# Altium PCB HAND_MULTILAYER.PcbDoc (part 2 of 3)
Units mm, origin at the board's own origin, x right, y up, seen from the top; angles counter-clockwise.
Board outline 57.4 x 57.5 mm, 4 copper layers (Top Layer, POWER, GND, Bottom Layer), stack 0.778 mm thick; 166 components, 145 nets, 650 pads, 156 vias.
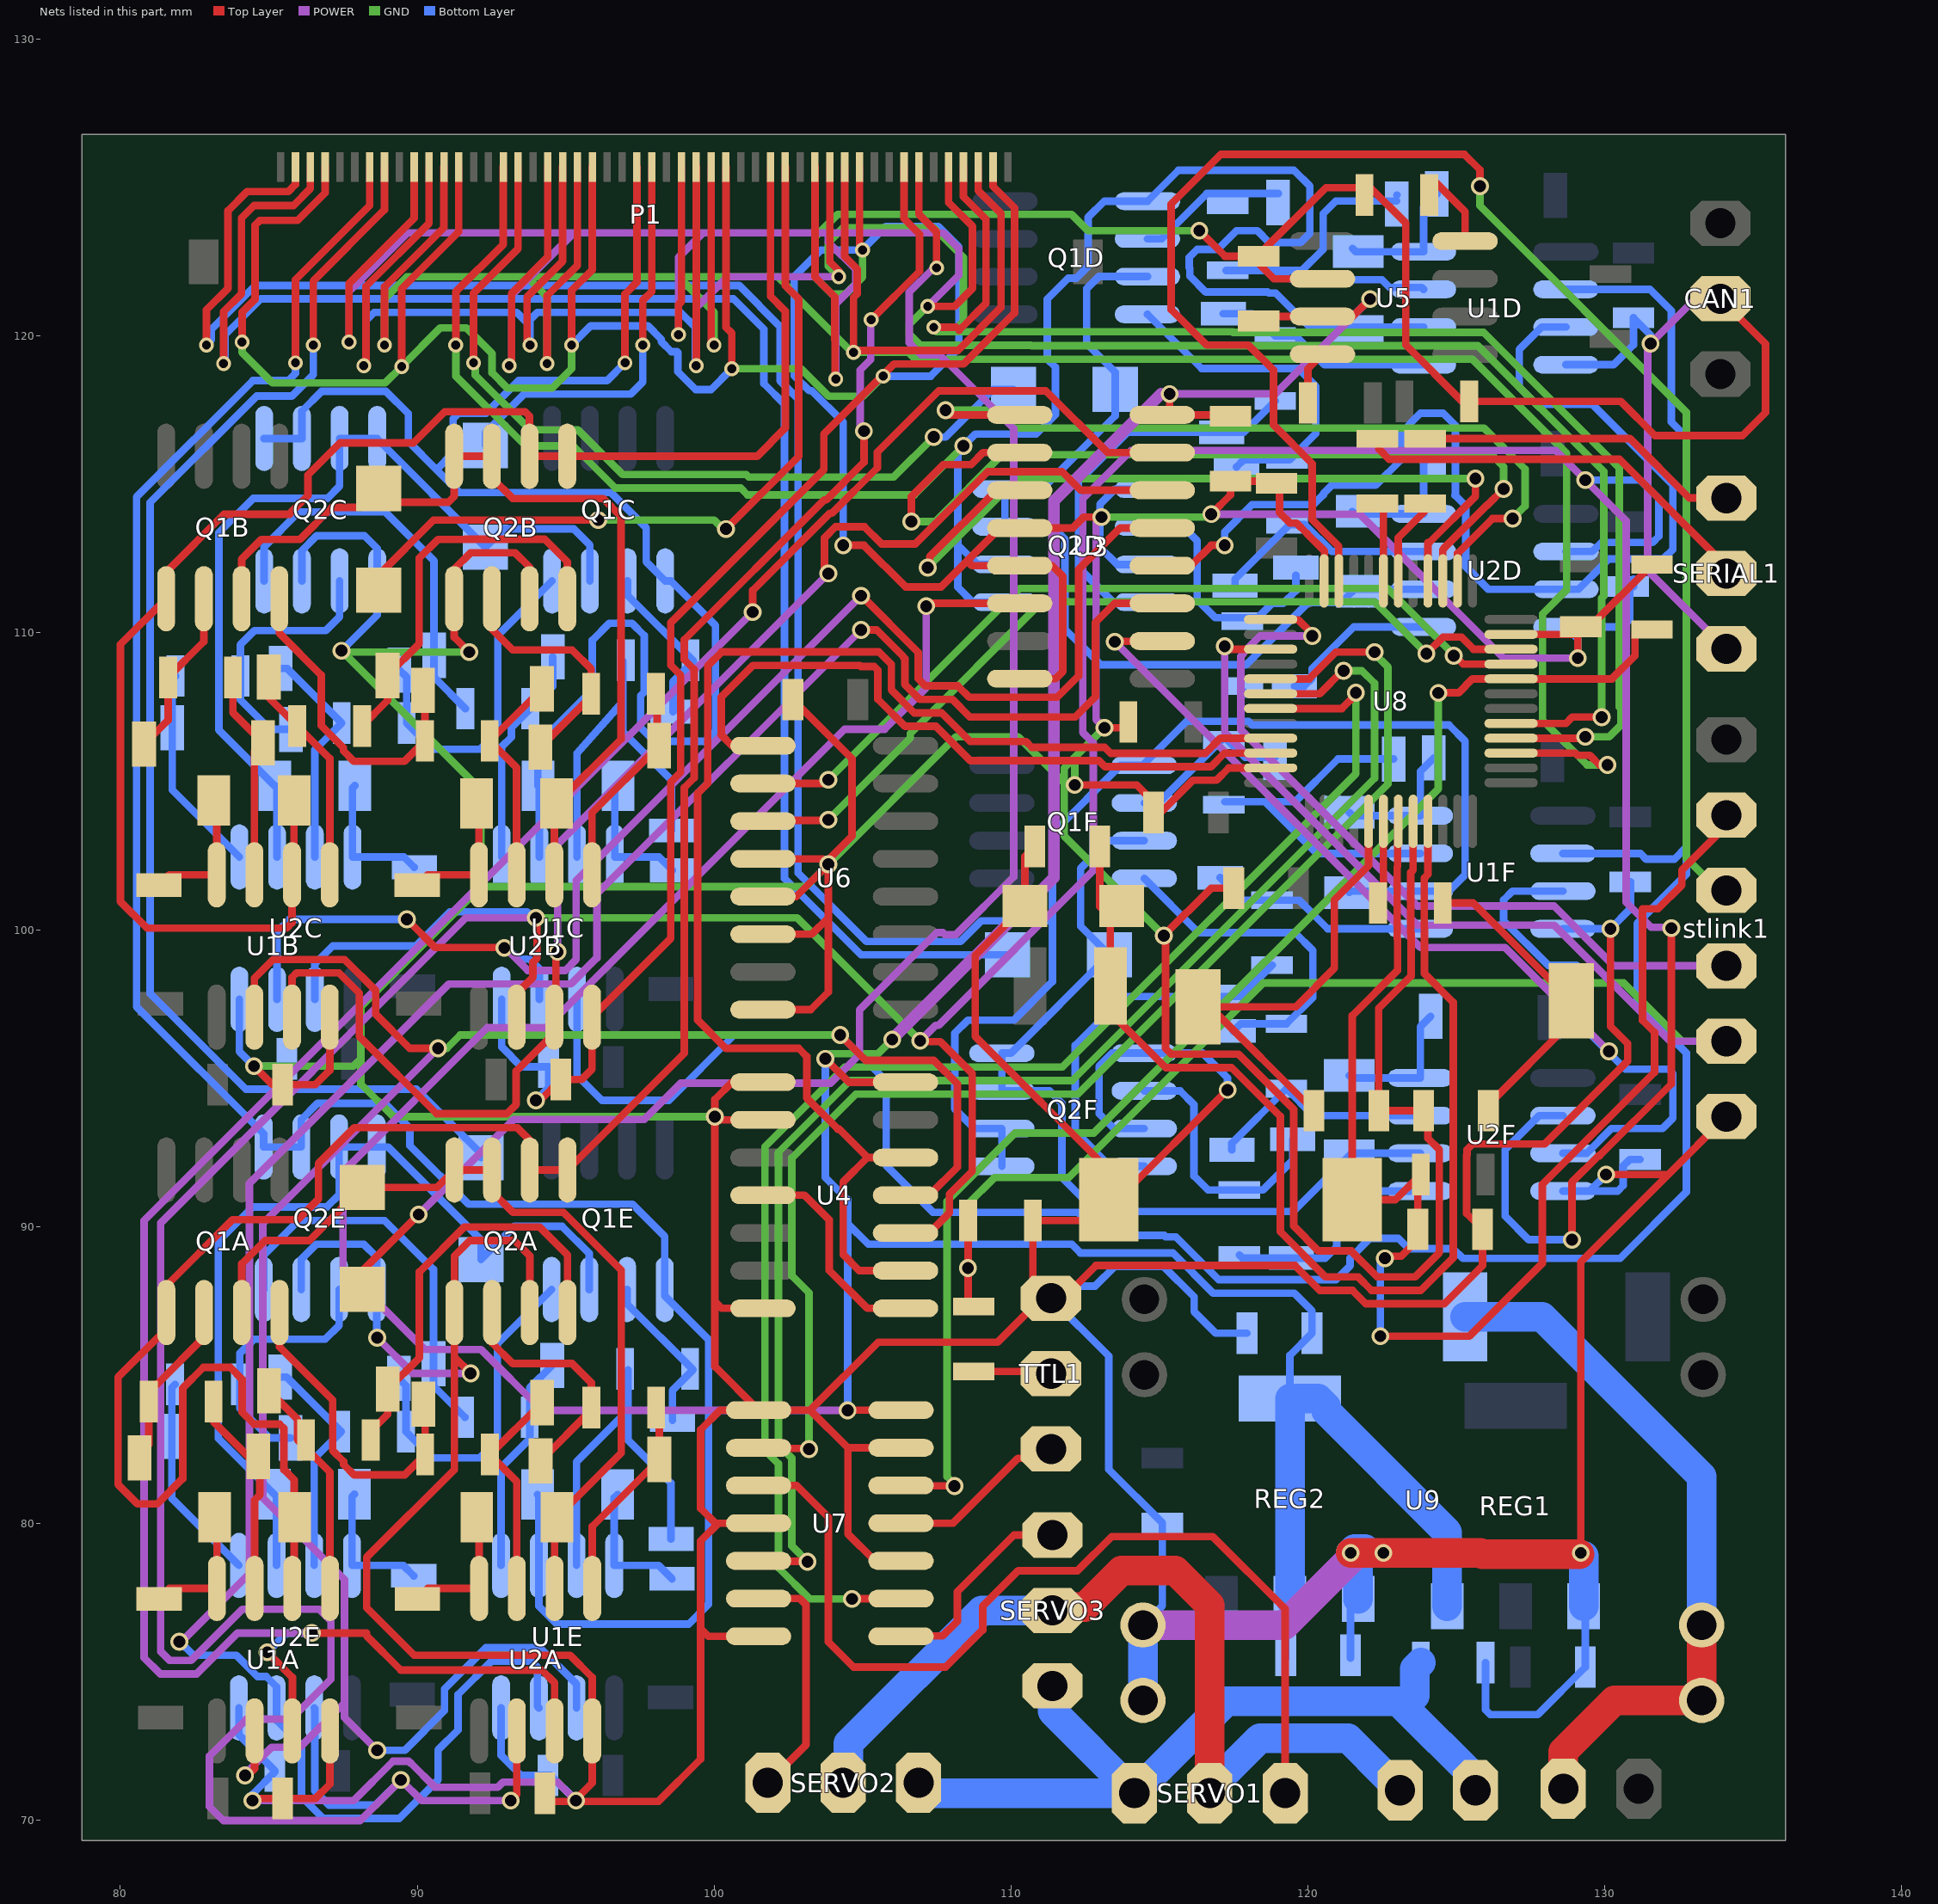
[diagram p4: the nets of this part, all layers, seen from the top]

## Via types
v1: diameter 0.6, hole 0.4, Top Layer to Bottom Layer, tented both sides, 113 vias
v2: diameter 0.5, hole 0.3, Top Layer to Bottom Layer, tented both sides, 43 vias

## Nets (pads, with @x,y where several pads share a name; then routed paths per layer and width w, separated by ;. In a path a pad name is that pad's centre, name@x,y a point inside that pad or via, vN(x,y) a via of type N, cw(c..) or ccw(c..) an arc to the next point about the centre after c; other vN are vias at no path point) (continued)
GND: B1.1 C3A.1 C3B.1 C3C.1 C3D.1 C3E.1 C3F.1 C4A.1 C4B.1 C4C.1 C4D.1 C4E.1 C4F.1 C5.1 C6.1 C7.1 C8.2 C9.1 C10.1 C11.1 C12.1 C13.1 C14.1 C15.1 C16.- C17.1 C18.1 C19.1 C21.1 CAN1.2 P1.2 P1.11 P1.20 P1.29 P1.38 P1.47 Q2A.1 Q2A.3 Q2B.1 Q2B.3 Q2C.1 Q2C.3 Q2D.1 Q2D.3 Q2E.1 Q2E.3 Q2F.1 Q2F.3 R6.1 R8.1 R9.2 R13.1 R14.1 R16.1 REG1.1 REG2.1 SERIAL1.1 stlink1.1 TTL1.3 U1A.4 U1B.4 U1C.4 U1D.4 U1E.4 U1F.4 U2A.4 U2B.4 U2C.4 U2D.4 U2E.4 U2F.4 U3.4 U3.5 U3.8 U4.1 U4.2 U4.7 U5.2 U6.4 U6.5 U6.6 U6.8 U7.1 U7.4 U7.7 U7.10 U7.13 U8.8 U8.23 U8.35 U8.47 U9.4 | length 700.3
  Top Layer w0.254: v2(84.1,119.8) 84.1,120.803 84.535,121.238 84.535,123.735 84.7,123.9 85.972,123.9 86.9,124.828 P1.47@86.9,125.7 ; v1(84.45,70.65) 84.525,70.725 C3A.1@85.467,70.725 86.575,70.725 87.062,71.212 U1A.4@87.062,73 ; v1(84.5,95.4) 85.125,94.775 C3B.1@85.46,94.775 86.568,94.775 87.055,95.262 U1B.4@87.055,97.05 ; v2(89.477,118.977) 89.477,119.939 89.477,121.593 91.4,123.516 P1.38@91.4,125.7 ; v1(91.75,109.35) 91.245,109.855 Q2B.1@91.245,111.15 91.245,112.145 91.8,112.7 93.3,112.7 93.785,112.215 Q2B.3@93.785,111.15 ; v1(91.8,85.05) 91.252,85.598 ; Q2A.3@93.792,87.1 93.792,89.008 93.275,89.525 91.775,89.525 91.252,89.002 Q2A.1@91.252,87.1 91.252,85.598 ; v1(94,94.25) 94.142,94.25 C4B.1@94.842,94.95 95.543,94.95 95.89,95.297 U2B.4@95.89,97.05 98.542,99.702 98.542,104.968 98.877,105.303 98.877,108.578 98.542,108.913 98.542,110.342 103.7,115.5 103.7,116.7 106.062,119.062 108.404,119.062 110.123,120.781 110.123,124.319 109.4,125.042 P1.2@109.4,125.7 ; C4A.1@94.267,70.625 v1@95.275,70.625 ; v2(95.2,119.7) 95.2,121.537 95.9,122.237 P1.29@95.9,125.7 ; P1.20@100.4,125.7 100.4,120.3 100.6,120.1 v2(100.6,118.9) ; U7.7@101.5,76.19 99.81,76.19 99.55,76.45 ; U7.4@101.5,80 100.15,80 ; U4.7@101.65,87.24 100.26,87.24 100.027,87.473 ; U4.2@101.65,93.59 100.137,93.59 v1(100.027,93.7) ; U4.1@101.65,94.86 100.61,94.86 100.027,94.277 v1(100.027,93.7) ; U6.8@101.65,97.305 103.255,97.305 103.85,97.9 103.85,100.4 ; U6.6@101.65,99.845 103.295,99.845 103.85,100.4 ; U6.5@101.65,101.115 102.765,101.115 v1(103.85,102.2) ; U6.4@101.65,102.385 103.665,102.385 v1(103.85,102.2) ; C6.1@102.658,107.75 104.65,105.758 104.65,103.15 103.85,102.35 v1(103.85,102.2) ; v1(104.35,112.95) 105.05,112.95 106.45,111.55 107.65,111.55 108.6,112.5 ; P1.11@104.9,125.7 104.9,123 v2(105,122.9) ; U7.10@106.3,78.73 105.42,78.73 104.51,79.64 104.51,82.54 ; U7.13@106.3,82.54 104.51,82.54 ; U3.8@110.3,108.455 111.505,108.455 111.75,108.7 111.75,111.9 111.385,112.265 U3.5@110.3,112.265 108.685,112.265 108.6,112.35 108.6,112.5 ; C17.1@110.808,102.8 110.47,102.462 C16.-@110.47,100.8 108.8,99.13 108.8,96.4 113.3,91.9 B1.1@113.3,90.9 ; v1(112.15,104.877) 114.239,104.877 114.585,104.531 114.585,104.523 114.808,104.3 C11.1@114.816,104.3 ; v1(113.05,113.9) 112.45,113.9 112.085,113.535 U3.4@110.3,113.535 109.635,113.535 108.6,112.5 ; v1(113.15,106.8) 113.758,106.8 R14.1@113.958,107 ; C11.1@114.808,103.95 115.05,103.95 116.134,105.034 116.923,105.034 117.339,105.45 U8.47@118.75,105.45 ; v1(116.35,123.55) 117.208,122.692 C7.1@118.35,122.692 118.35,122.737 120.613,125 122.108,125 123.3,123.808 123.3,119.703 125.203,117.8 R8.1@125.442,117.8 130.55,117.8 131.7,116.65 134.65,116.65 135.423,117.423 135.423,119.737 CAN1.2@133.9,121.26 ; v1(116.75,114) 117.4,114.65 C5.1@117.4,115.116 118.877,115.116 C12.1@118.95,115.042 ; v1(117.3,94.6) 113.6,90.9 B1.1@113.3,90.9 ; C13.1@117.508,101.4 116.75,101.4 v1(115.15,99.8) 115.211,99.739 115.211,95.995 115.403,95.803 117.663,95.803 119.531,93.935 119.531,90.007 120.365,89.173 121.467,89.173 122.34,88.3 123.62,88.3 124.435,89.115 124.435,92.585 124.051,92.97 124.051,93.749 C9.1@123.9,93.9 ; C7.1@118.225,122.567 118.862,121.93 U5.2@120.5,121.93 ; C12.1@119.05,115.042 119.05,114.05 119.4,113.7 119.62,113.7 119.977,113.343 119.977,113.339 120.561,112.754 120.561,112.544 120.559,112.541 120.559,111.759 U8.35@120.55,111.75 ; U8.8@123.55,103.65 123.55,102.005 123.469,101.923 123.469,99.877 123.481,99.864 123.481,98.439 123.469,98.427 122.392,97.35 C8.2@122.392,93.9 123.7,93.9 C9.1@123.8,94 ; U8.23@126.85,109.95 128.942,109.95 C10.1@129.1,110.108 ; v1(129.1,109.15) C10.1@129.1,110.108 ; v1@129.15,78.95 v1(129.2,79) 129.2,88.8 132.15,91.75 ; v1(130.05,91.75) 132.15,91.75 ; v1(130.198,100.028) 130.198,96.739 130.777,96.16 130.777,95.569 127.985,92.777 125.557,92.777 125.365,92.585 125.365,92.411 125.354,92.4 125.354,90.438 C15.1@125.892,89.9 125.892,88.684 124.6,87.392 121.964,87.392 121.51,87.846 120.407,87.846 119.569,88.684 112.866,88.684 111.761,87.58 TTL1.3@111.35,87.58 ; R13.1@131.6,112.3 129.508,110.208 C10.1@129.2,110.208 C10.1@129.1,110.108 ; stlink1.1@134.1,93.7 132.15,91.75 ; SERIAL1.1@134.1,109.46 SERIAL1.1@134.1,109.8 ; 91.252,85.598 91.252,81.802 88.3,78.85 88.3,77.15 89.9,75.55 95.15,75.55 95.897,74.803 U2A.4@95.897,73 95.897,71.247 v1@95.275,70.625 ; v1@95.275,70.625 98.125,70.625 99.55,72.05 99.55,76.45 ; 99.55,76.45 99.55,79.4 100.15,80 ; 100.027,87.473 v1(100.027,93.7) ; 100.027,87.473 100.027,85.283 U7.1@101.5,83.81 ; 100.15,80 100.05,80 99.55,80.5 99.55,83.15 100.21,83.81 U7.1@101.5,83.81 ; U7.1@101.5,83.81 103.24,83.81 ; 103.24,83.81 104.51,82.54 ; 103.24,83.81 105.53,86.1 109.55,86.1 111.03,87.58 TTL1.3@111.35,87.58 ; 103.85,100.4 v1(103.85,102.2) ; TTL1.3@111.35,87.58 110.742,88.188 R16.1@110.742,90.2 112.6,90.2 B1.1@113.3,90.9
  Top Layer w1: v1(121.45,79) v1(122.55,79) 125.825,79 125.875,78.95 v1@129.15,78.95
  POWER w0.254: v1(84.45,70.65) 87.863,70.65 89.19,71.977 89.71,71.977 89.768,71.918 89.782,71.918 90.596,71.104 92.717,71.104 92.89,71.277 94.723,71.277 v1(95.35,70.65) ; v1(88.65,86.25) 89.85,85.05 v1(91.8,85.05) ; v1(113.05,113.9) 112.873,113.723 112.873,107.077 v1(113.15,106.8) ; v1(116.75,114) 121.75,114 126.6,109.15 v1(129.1,109.15) ; CAN1.2@133.9,121.26 133.06,121.26 v1(131.55,119.75) 131.45,119.65 131.45,112.11 SERIAL1.1@134.1,109.46
  POWER w1: U9.4@114.449,76.567 119.217,76.567 121.45,78.8 v1(121.45,79)
  GND w0.254: v2(84.1,119.8) 84.1,119.45 85.127,118.423 88.923,118.423 v2(89.477,118.977) 90.777,120.277 91.657,120.277 92.523,119.411 92.523,118.761 93.034,118.25 94.55,118.25 95.2,118.9 v2(95.2,119.7) ; v1(84.5,95.4) 87.85,95.4 88.1,95.65 ; v1(87.45,109.4) v1@87.5,109.35 ; v1(91.75,109.35) v1@87.5,109.35 ; v1(100.027,93.7) 89.2,93.7 88.1,94.8 88.1,95.65 ; v2(100.6,118.9) 102.934,118.9 103.742,118.092 103.861,117.973 105.023,117.973 v2(105.7,118.65) ; v2(105,122.9) 105,121.984 104.439,121.423 103.961,121.423 103.396,121.988 103.396,123.338 104.162,124.104 112.046,124.104 112.6,123.55 v1(116.35,123.55) ; v1(112.15,104.877) 112.15,105.8 ; v1(113.05,113.9) 116.65,113.9 v1(116.75,114) ; v1(113.15,106.8) 112.15,105.8 ; v1(115.15,99.8) 111.8,103.15 111.8,104.95 ; v1@87.5,109.35 92.15,104.7 92.15,101.45 ; 88.1,95.65 88.1,97.4 92.15,101.45 ; 92.15,101.45 103.1,101.45 v1(103.85,102.2) 108.15,106.5 110.25,106.5 111.8,104.95 ; 111.8,104.95 111.8,105.45 112.15,105.8
  Bottom Layer w0.254: U2E.4@83.993,73.775 83.993,72.865 C4E.1@85.208,71.65 85.208,71.621 84.45,70.863 v1(84.45,70.65) ; U2C.4@84.01,97.65 84.01,95.89 v1(84.5,95.4) 85.6,95.4 C4C.1@85.625,95.375 ; Q2E.3@86.098,87.875 86.098,88.898 86.6,89.4 88.2,89.4 88.638,88.962 Q2E.1@88.638,87.875 88.638,86.262 v1(88.65,86.25) ; Q2C.3@86.115,111.75 86.115,112.773 86.617,113.275 88.217,113.275 88.655,112.837 Q2C.1@88.655,111.75 88.655,110.605 v1(87.45,109.4) ; U1E.4@92.828,73.775 92.828,72.172 93.5,71.5 C3E.1@94.408,71.5 94.5,71.5 v1(95.35,70.65) ; U1C.4@92.845,97.65 92.845,96.047 93.517,95.375 C3C.1@94.425,95.375 94.425,94.675 v1(94,94.25) ; v2(95.2,119.7) 95.846,120.346 97.77,120.346 98.223,119.893 98.223,119.811 98.561,119.473 98.75,119.473 98.777,119.446 98.777,118.807 99.384,118.2 99.9,118.2 v2(100.6,118.9) ; v1(104.35,112.95) 104.35,117.1 103.285,118.165 103.208,118.165 103.019,118.354 103.007,118.354 102.7,118.661 102.7,122 103.6,122.9 v2(105,122.9) 105,122.916 105.784,123.7 107.55,123.7 108.25,123 108.25,119.6 107.3,118.65 v2(105.7,118.65) ; U9.4@114.449,76.567 115.1,77.218 C19.1@115.1,80.008 113.3,81.808 113.3,85.63 TTL1.3@111.35,87.58 111.761,87.991 112.841,87.991 113.5,88.65 115.15,88.65 116.175,87.625 116.175,87.125 116.9,86.4 C14.1@117.958,86.4 ; Q2F.3@114.495,93.298 113.472,93.298 112.97,93.8 112.97,95.4 113.408,95.838 Q2F.1@114.495,95.838 116.462,95.838 117.3,95 v1(117.3,94.6) ; Q2D.3@114.6,112.305 113.577,112.305 113,112.882 113,114.332 113.513,114.845 Q2D.1@114.6,114.845 ; C21.1@121.442,75.45 C21.1@121.442,75.55 121.442,77.19 REG2.1@121.7,77.448 ; R9.2@125.992,75.3 125.992,73.708 126.15,73.55 127.75,73.55 C18.1@129.35,75.15 129.35,77.15 REG1.1@129.3,77.2 ; U2F.4@128.595,91.193 U2F.4@129.493,91.193 ; U1F.4@128.595,100.028 v1(130.198,100.028) 130.87,100.7 C3F.1@130.87,101.608 ; U1D.4@128.7,119.035 130.303,119.035 130.975,119.707 C3D.1@130.975,120.615 131.55,120.04 v1(131.55,119.75) ; v1(129.1,109.15) 129.1,109.8 U2D.4@128.7,110.2 130.6,110.2 130.85,110.45 130.85,111.508 C4D.1@130.8,111.558 ; v1(129.2,79) v1@129.3,78.9 ; v1(130.05,91.75) U2F.4@129.493,91.193 ; C4D.1@130.975,111.558 C4D.1@130.975,111.815 ; C4F.1@131.2,92.258 130.85,92.258 130.627,92.035 130.627,91.377 130.443,91.193 U2F.4@129.493,91.193
  Bottom Layer w1: U9.4@114.449,74.027 U9.4@114.449,76.567 ; v1(121.45,79) 121.575,79.125 121.925,79.125 ; REG2.1@121.7,77.448 v1@121.7,78.9 ; REG1.1@129.3,77.2 v1@129.3,78.9
IN1: U2A.2 U2B.2 U2C.2 U2D.2 U2E.2 U2F.2 U4.10 | length 185.6
  Top Layer w0.254: v1(93.15,70.65) 93.357,70.857 U2A.2@93.357,73 ; U2B.2@93.35,97.05 93.35,97.85 93.9,98.4 93.9,98.9 94.036,99.036 94.036,100.36 v1(94,100.396) ; U4.10@106.45,89.78 107.25,89.78 107.931,90.461 107.931,91.089 108.7,91.858 108.7,95.15 107.626,96.224 106.976,96.224 v1(106.945,96.255) ; v1(128.9,89.55) 128.9,91.487 129.79,92.377 129.827,92.377 132.25,94.8 v1(132.25,100.05)
  POWER w0.254: v1(93.15,70.65) 90.15,70.65 v1(89.45,71.35) 88.077,69.977 83.473,69.977 83,70.45 83,72.15 84.25,73.4 85.75,73.4 87.096,74.746 87.096,76.704 86.7,77.1 84.108,77.1 82.385,75.377 81.657,75.377 81.358,75.676 81.358,90.116 91.638,100.396 v1(94,100.396) ; v1(106.945,96.255) 107.469,96.779 107.563,96.779 112.777,101.993 112.777,106.286 112.419,106.644 112.419,114.517 114.052,116.15 128.35,116.15 v1(129.35,115.15) 130.727,113.773 130.727,100.923 131.569,100.081 132.219,100.081 v1(132.25,100.05)
  GND w0.254: v1(94,100.396) 102.804,100.396 v1(106.945,96.255)
  Bottom Layer w0.254: U2E.2@86.533,73.775 86.554,73.754 86.554,70.976 87.026,70.504 88.604,70.504 v1(89.45,71.35) ; U2C.2@86.55,97.65 86.55,98.85 87.15,99.45 89.95,99.45 91.1,100.6 93.702,100.6 93.906,100.396 v1(94,100.396) ; U2F.2@128.595,93.733 127.795,93.733 126.65,92.588 126.65,90.35 127.45,89.55 v1(128.9,89.55) ; U2D.2@128.7,112.74 129.594,112.74 129.904,113.05 131.62,113.05 131.827,113.257 131.827,114.523 131.2,115.15 v1(129.35,115.15)
IN2: U1A.2 U1B.2 U1C.2 U1D.2 U1E.2 U1F.2 U4.11 | length 164
  Top Layer w0.254: v1@84.2,71.4 84.522,71.722 U1A.2@84.522,73 ; U1B.2@84.515,97.05 84.515,98.365 85.146,98.996 87.55,98.996 88.6,97.946 88.6,97.15 89.75,96 v1(90.7,96) ; v1(104.25,96.45) 104.9,95.8 105.102,95.598 107.398,95.598 108.2,94.797 108.2,92 107.25,91.05 U4.11@106.45,91.05
  POWER w0.254: v1@84.35,71.7 85.1,72.45 86.05,72.45 87.55,73.95 ; v1(88.65,72.35) 87.55,73.45 87.55,73.95 ; v1(90.7,96) 84.8,90.1 84.8,80.85 87.55,78.1 87.55,73.95
  GND w0.254: v1(90.7,96) 91,96 91.45,96.45 v1(104.25,96.45)
  Bottom Layer w0.254: v1(88.65,72.35) 89.582,72.35 90.922,73.69 90.922,74.414 92.308,75.8 94.143,75.8 95.368,74.575 U1E.2@95.368,73.775 ; U1C.2@95.385,97.65 95.385,95.087 96.222,94.25 98.478,94.25 100.678,96.45 v1(104.25,96.45) 105.8,94.9 105.8,92.05 107.375,90.475 112.253,90.475 113.028,89.7 115.164,89.7 115.214,89.65 115.556,89.65 117,88.206 120.956,88.206 121.429,88.679 121.429,88.929 122.1,89.6 123.05,89.6 123.4,89.25 124.9,89.25 125.227,88.923 130.523,88.923 132.754,91.154 132.754,95.846 132.2,96.4 132.15,96.4 131.1,97.45 131.1,100.212 132.754,101.866 132.754,102.778 ; U1F.2@128.595,102.568 131.207,102.568 131.402,102.373 132.349,102.373 132.754,102.778 ; U1D.2@128.7,121.575 131.527,121.575 132.25,120.852 132.25,117.103 132.754,116.599 132.754,102.778
  other v1: 84.2,71.5
M11: F1A.1 P1.7 | length 55.6
  Top Layer w0.254: F1A.1@88.157,87.885 88.157,88.507 v1(90.05,90.4) ; P1.7@106.9,125.7 106.9,124.1 107.492,123.508 107.492,122.392 107.584,122.3 v2(107.5,122.3)
  POWER w0.254: v1(90.05,90.4) 93.25,93.6 97.65,93.6 98.875,94.825 103.925,94.825 104.9,95.8 104.9,97.3 107.5,99.9 107.713,99.9 107.79,99.823 108.136,99.823 110.096,101.783 110.096,107.154 110.097,107.155 110.097,116.882 107.606,119.373 106.977,119.373 106.577,119.773 106.577,121.477 107.4,122.3 v2(107.5,122.3)
M12: C1A.1 P1.8 Q1A.1 Q2A.5 Q2A.6 U1A.6 | length 80.9
  Top Layer w0.254: U1A.6@85.792,77.8 85.857,77.865 85.857,81.458 85.511,81.804 85.511,83.189 85.361,83.339 84.506,83.339 84.1,83.745 84.1,84.85 83.7,85.25 82.8,85.25 82.1,84.55 82.1,81.5 81.25,80.65 80.576,80.65 79.923,81.303 79.923,84.923 81.552,86.552 Q1A.1@81.552,87.1 81.552,88.002 83.775,90.225 85.975,90.225 86.675,90.925 86.675,92.125 87.877,93.327 93.373,93.327 93.792,92.908 Q2A.6@93.792,91.9 Q2A.5@95.062,91.9 98.996,95.834 98.996,104.779 99.331,105.114 99.331,108.766 98.996,109.101 98.996,109.767 103.714,114.485 103.785,114.485 105.05,115.75 v1(105.05,116.8) ; v2(105.292,120.55) 106.923,122.181 106.923,123.435 106.4,123.958 P1.8@106.4,125.7
  POWER w0.254: v1(105.05,116.8) 104.923,116.927 104.923,118.857 105.277,119.211 105.277,120.535 v2(105.292,120.55)
M21: F1B.1 P1.16 | length 26.5
  Top Layer w0.254: F1B.1@88.7,111.436 88.7,111.95 90.55,113.8 v1(96.1,113.8) ; v1(100.4,113.5) 102.854,115.954 102.854,121.246 102.4,121.699 P1.16@102.4,125.7
  GND w0.254: v1(96.1,113.8) 100.006,113.8 100.306,113.5 v1(100.4,113.5)
M22: C1B.1 P1.17 Q1B.1 Q2B.5 Q2B.6 U1B.6 | length 56.4
  Top Layer w0.254: C1B.1@85.85,104.35 85.85,101.915 U1B.6@85.785,101.85 85.785,100.235 85.6,100.05 80.9,100.05 80,100.95 80,109.605 Q1B.1@81.545,111.15 81.545,112.052 83.493,114 85.693,114 86.318,114.625 86.318,115.318 87.4,116.4 89.876,116.4 90.926,117.45 93.636,117.45 93.785,117.301 Q2B.6@93.785,115.95 Q2B.5@95.055,115.95 101.45,115.95 102.4,116.9 102.4,120.842 101.9,121.342 P1.17@101.9,125.7
M31: F1C.1 P1.25 | length 13.8
  Top Layer w0.254: v2(97.6,119.7) 97.6,121.2 97.9,121.5 P1.25@97.9,125.7
  Bottom Layer w0.254: F1C.1@92.3,116.314 92.3,116.742 93.604,118.046 97.196,118.046 97.6,118.45 v2(97.6,119.7)
M32: C1C.1 P1.26 Q1C.1 Q2C.5 Q2C.6 U1C.6 | length 56
  Top Layer w0.254: v2(97,119.1) 97,121.411 97.4,121.811 P1.26@97.4,125.7
  Bottom Layer w0.254: Q2C.5@84.845,116.55 Q2C.6@86.115,116.55 86.115,117.473 86.78,118.138 88.95,118.138 89.7,117.388 89.7,116.45 90.65,115.5 ; U1C.6@94.115,102.45 94.115,104.797 C1C.1@94.067,104.845 94.067,106.24 95.9,108.073 95.9,109.75 96.473,110.323 97.239,110.323 97.652,109.91 97.652,108.004 97.528,107.88 97.528,106.81 97.988,106.35 99.7,106.35 100.046,106.696 100.046,110.254 98.55,111.75 Q1C.1@98.355,111.75 97.712,112.393 97.712,113.538 96.525,114.725 91.425,114.725 90.65,115.5 ; v2(97,119.1) 96.4,118.5 93.416,118.5 92.319,117.403 91.403,117.403 91.211,117.212 91.211,116.061 90.65,115.5
M41: F1D.1 P1.34 | length 28.5
  Top Layer w0.254: v2(91.9,119.1) 91.9,121.447 91.977,121.525 93.4,122.948 P1.34@93.4,125.7
  GND w0.254: v2(91.9,119.1) 91.954,119.1 91.954,118.688 93.8,116.842 95.408,116.842 96.915,115.335 101.086,115.335 101.171,115.25 106.05,115.25 v1(107.4,116.6)
  Bottom Layer w0.254: v1(107.4,116.6) 107.8,116.6 109.4,118.2 F1D.1@110.086,118.2
M42: C1D.1 P1.35 Q1D.1 Q2D.5 Q2D.6 U1D.6 | length 70.6
  Top Layer w0.254: v2(91.3,119.7) 91.3,121.49 92.9,123.09 P1.35@92.9,125.7
  GND w0.254: v2(91.3,119.7) 91.3,118.65 93.65,116.3 95.261,116.3 96.68,114.881 100.898,114.881 101.129,114.65 106.75,114.65 v1(108.4,116.3)
  Bottom Layer w0.254: Q2D.5@109.8,111.035 108.715,111.035 108.212,111.538 108.212,112.97 ; Q2D.6@109.8,112.305 108.877,112.305 108.212,112.97 ; U1D.6@123.9,120.305 121.553,120.305 121.505,120.257 120.11,120.257 118.918,121.448 118.682,121.448 118.646,121.484 116.566,121.484 116.027,122.023 116.027,122.286 116.006,122.307 116.006,122.656 116.273,122.923 116.973,122.923 117.6,123.55 118.3,123.55 118.7,123.15 119.75,123.15 120.069,123.469 120.069,125.055 119.535,125.589 115.644,125.589 Q1D.1@114.6,124.545 113.145,124.545 112.6,124 112.6,122.35 112.2,121.95 111.927,121.95 111.227,121.25 111.227,119.223 111.5,118.95 111.5,117.35 110.85,116.7 108.8,116.7 v1(108.4,116.3) 108.4,116.206 108.212,116.019 108.212,112.97
M51: F1E.1 P1.43 | length 45.3
  Top Layer w0.254: v2(86.5,119.7) 86.5,121.858 88.9,124.258 P1.43@88.9,125.7
  Bottom Layer w0.254: v2(86.5,119.7) 86.5,118.7 85.777,117.977 84.585,117.977 81,114.392 81,97.85 84.227,94.623 89.977,94.623 92.15,92.45 F1E.1@92.15,92.314
M52: C1E.1 P1.44 Q1E.1 Q2E.5 Q2E.6 U1E.6 | length 78.7
  Top Layer w0.254: v2(85.9,119.1) 85.9,121.9 88.4,124.4 P1.44@88.4,125.7
  Bottom Layer w0.254: v2(85.9,119.1) 85.9,118.742 85.658,118.5 84.466,118.5 80.546,114.58 80.546,97.404 84.828,93.122 Q2E.5@84.828,92.675 Q2E.6@86.098,92.675 86.098,93.598 86.65,94.15 88.913,94.15 89.75,93.313 89.75,92.728 91.728,90.75 97.25,90.75 98.338,89.662 Q1E.1@98.338,87.875 98.338,87.662 99.819,86.181 99.819,77.269 99.15,76.6 94.7,76.6 94.098,77.202 U1E.6@94.098,78.575 94.098,80.922 C1E.1@94.05,80.97
M61: F1F.1 P1.48 | length 56
  Top Layer w0.254: v2(83.477,119.077) 83.477,120.823 84.081,121.426 84.081,123.981 84.5,124.4 85.829,124.4 86.4,124.97 P1.48@86.4,125.7
  Bottom Layer w0.254: v2(83.477,119.077) 83.523,119.123 83.523,120.039 84.738,121.254 100.654,121.254 101.677,120.231 101.677,118.4 102.377,117.7 102.377,101.723 104.95,99.15 F1F.1@109.886,99.15
M62: C1F.1 P1.49 Q1F.1 Q2F.5 Q2F.6 U1F.6 | length 96.6
  Top Layer w0.254: v2(82.9,119.7) 82.9,120.888 83.627,121.615 83.627,124.227 84.273,124.873 85.66,124.873 85.9,125.113 P1.49@85.9,125.7
  Bottom Layer w0.254: v2(82.9,119.7) 83.069,119.869 83.069,120.227 84.55,121.708 100.842,121.708 102.225,120.325 102.225,118.494 102.819,117.9 102.831,117.9 102.831,101.911 105.138,99.604 108.304,99.604 109,100.3 111.4,100.3 ; Q2F.5@109.695,92.028 Q2F.6@109.695,93.298 108.772,93.298 108.107,93.963 108.107,96.507 108.55,96.95 110.1,96.95 111.4,98.25 111.4,100.3 ; C1F.1@121.4,101.25 121.448,101.298 U1F.6@123.795,101.298 124.748,101.298 125.3,101.85 125.3,106.352 124.756,106.896 118.129,106.896 118.005,107.019 115.919,107.019 114.495,105.595 Q1F.1@114.495,105.538 113.698,105.538 111.4,103.24 111.4,100.3
NetC1A_2: C1A.2 D1A.K U1A.8 | length 4.6
  Top Layer w0.254: D1A.K@81.307,77.45 81.657,77.8 U1A.8@83.252,77.8 83.252,80.205 C1A.2@83.157,80.3
NetC1B_2: C1B.2 D1B.K U1B.8 | length 4.6
  Top Layer w0.254: D1B.K@81.3,101.5 81.65,101.85 U1B.8@83.245,101.85 83.245,104.255 C1B.2@83.15,104.35
NetC1C_2: C1C.2 D1C.K U1C.8 | length 4.6
  Bottom Layer w0.254: C1C.2@96.767,104.845 96.655,104.733 U1C.8@96.655,102.45 98.15,102.45 D1C.K@98.6,102
NetC1D_2: C1D.2 D1D.K U1D.8 | length 4.6
  Bottom Layer w0.254: C1D.2@121.505,122.957 121.617,122.845 U1D.8@123.9,122.845 123.9,124.34 D1D.K@124.35,124.79
NetC1E_2: C1E.2 D1E.K U1E.8 | length 4.6
  Bottom Layer w0.254: C1E.2@96.75,80.97 96.638,80.858 U1E.8@96.638,78.575 98.133,78.575 D1E.K@98.583,78.125
NetC1F_2: C1F.2 D1F.K U1F.8 | length 4.6
  Bottom Layer w0.254: C1F.2@121.4,103.95 121.512,103.838 U1F.8@123.795,103.838 123.795,105.333 D1F.K@124.245,105.783
NetC2A_1: C2A.1 F1A.2 Q1A.3 Q2A.7 Q2A.8 U2A.6 | length 29.2
  Top Layer w0.254: Q1A.3@84.092,87.1 84.092,88.742 84.875,89.525 86.367,89.525 F1A.2@88.157,91.314 90.666,91.314 Q2A.8@91.252,91.9 Q2A.7@92.522,91.9 92.522,91.178 93.227,90.473 94.927,90.473 96.875,88.525 96.875,82.368 C2A.1@94.707,80.2 94.627,80.12 U2A.6@94.627,77.8
NetC2A_2: C2A.2 D2A.K U2A.8 | length 4.7
  Top Layer w0.254: D2A.K@90.007,77.45 90.357,77.8 U2A.8@92.087,77.8 92.087,80.12 C2A.2@92.007,80.2
NetC2B_1: C2B.1 F1B.2 Q1B.3 Q2B.7 Q2B.8 U2B.6 | length 31
  Top Layer w0.254: Q1B.3@84.085,111.15 84.085,112.485 84.75,113.15 86.05,113.15 87.13,114.23 88.065,114.23 F1B.2@88.7,114.865 89.165,114.4 91.05,114.4 91.245,114.595 Q2B.8@91.245,115.95 Q2B.7@92.515,115.95 92.515,115.228 93.22,114.523 96.264,114.523 96.868,113.919 96.868,106.418 C2B.1@94.7,104.25 94.62,104.17 U2B.6@94.62,101.85